# KiCad board ws2812-clock.kicad_pcb (continued)
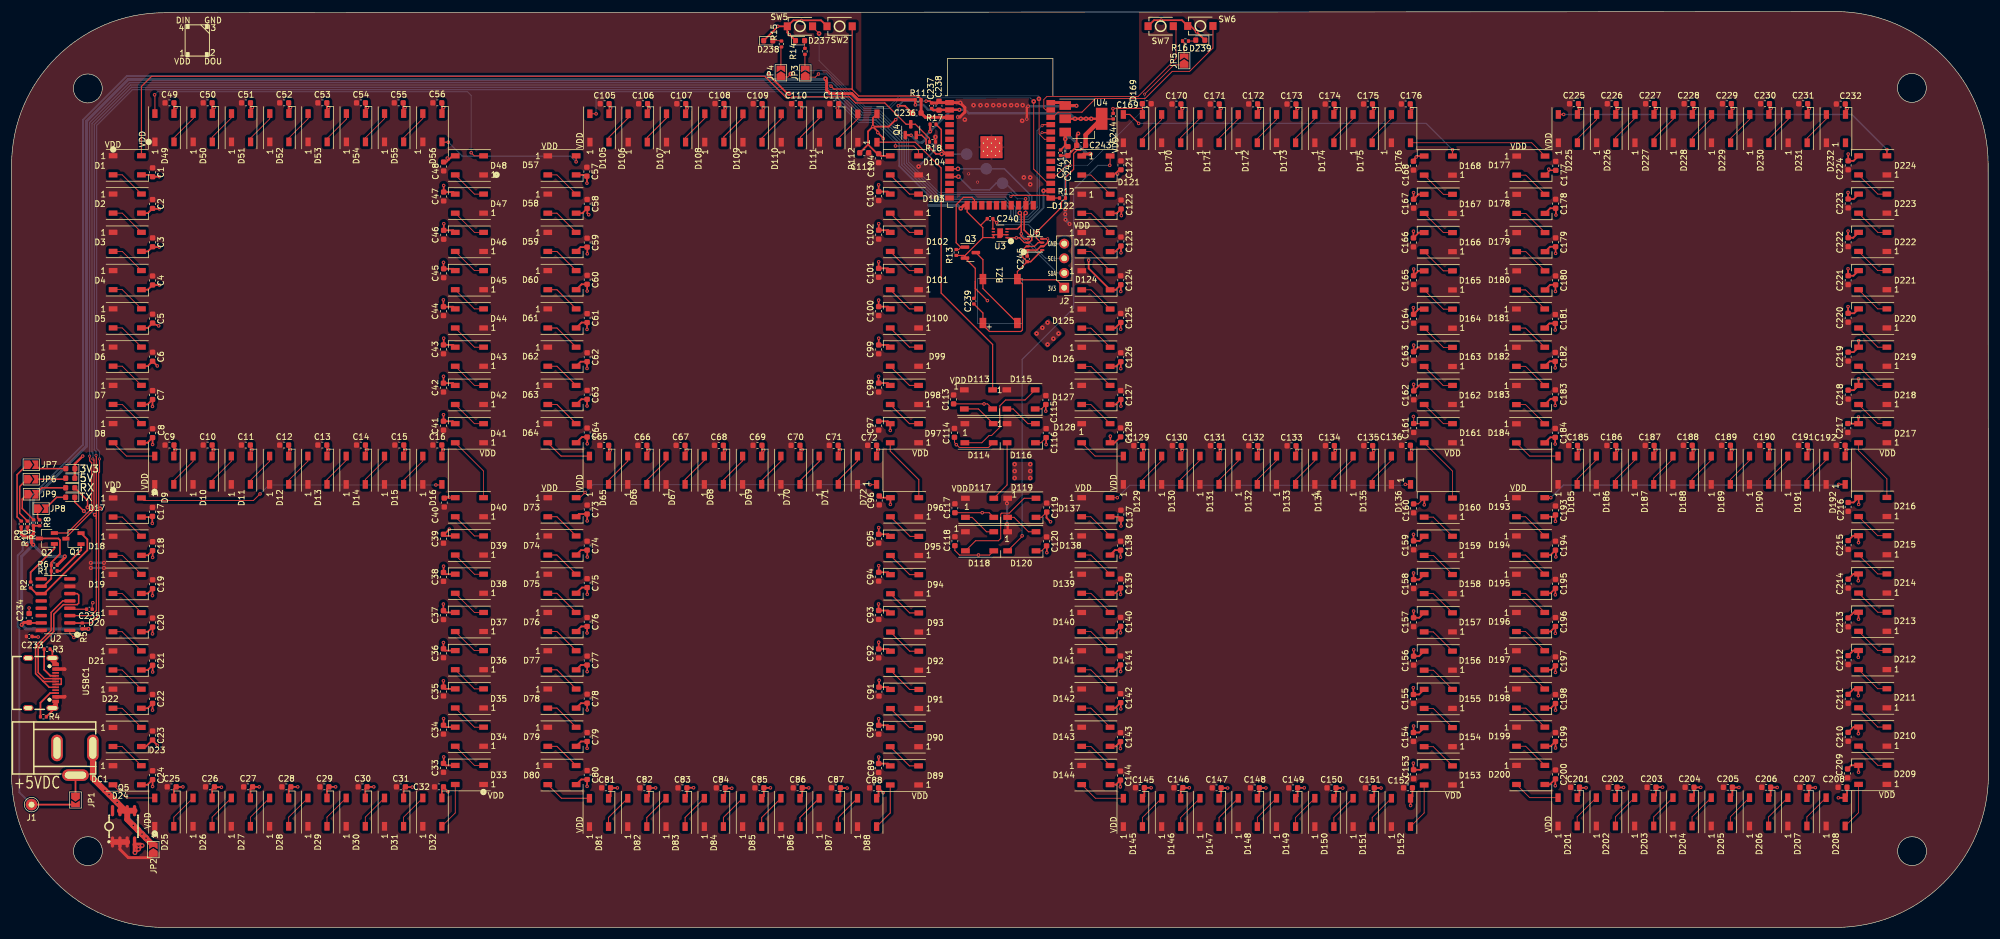
[diagram p0: board, top side]
## Routing (per net, layer and track width the routed paths; a pad name or vN(x,y) marks a point on that pad's centre or on a via; arc(x,y) is an arc through that point) (continued)
Net-(USBC1-CC1): length 6
  Top w0.3: USBC1.A5 6.69,43.54 5.63,44.61 R3.1
Net-(USBC1-CC2): length 5.7
  Top w0.3: USBC1.B5 6.67,40.54 4.99,38.86 R4.2

## Copper pours and planes (outline as drawn; the poured copper is in the pictures)
+5V on Top: 0,158.45 341.75,158.45 341.75,0 0,0
GND on Top: 162.2,143.35 179.5,143.45 179.65,124.4 162.15,124.35
GND on Top: 173,80.55 176.5,80.55 176.5,77.35 173,77.35
GND on Top: 179,100.25 181.7,102.75 179.3,105.35 176.6,102.75
GND on Bottom: 0,158.45 341.75,158.45 341.75,0 0,0

## Text on the board
F.Silkscreen: GND / SCL / SDA / 3V3 | VDD | DIN | 4 | 1 | GND | DOU | 2 | 3 | 3V3 | TX | RX | 5V | +5VDC
